# Altium PCB power-v3.4.PcbDoc (part 3 of 3)
Units mil, origin at the board's own origin, x right, y up, seen from the top; angles counter-clockwise.
Board outline 6141.36 x 3430.84 mil, 4 copper layers (Signal 1, Ground, Power, Signal 2), stack 60.469 mil thick; 246 components, 147 nets, 633 pads, 963 vias.
Unrouted connection lines stored in the file: 21.
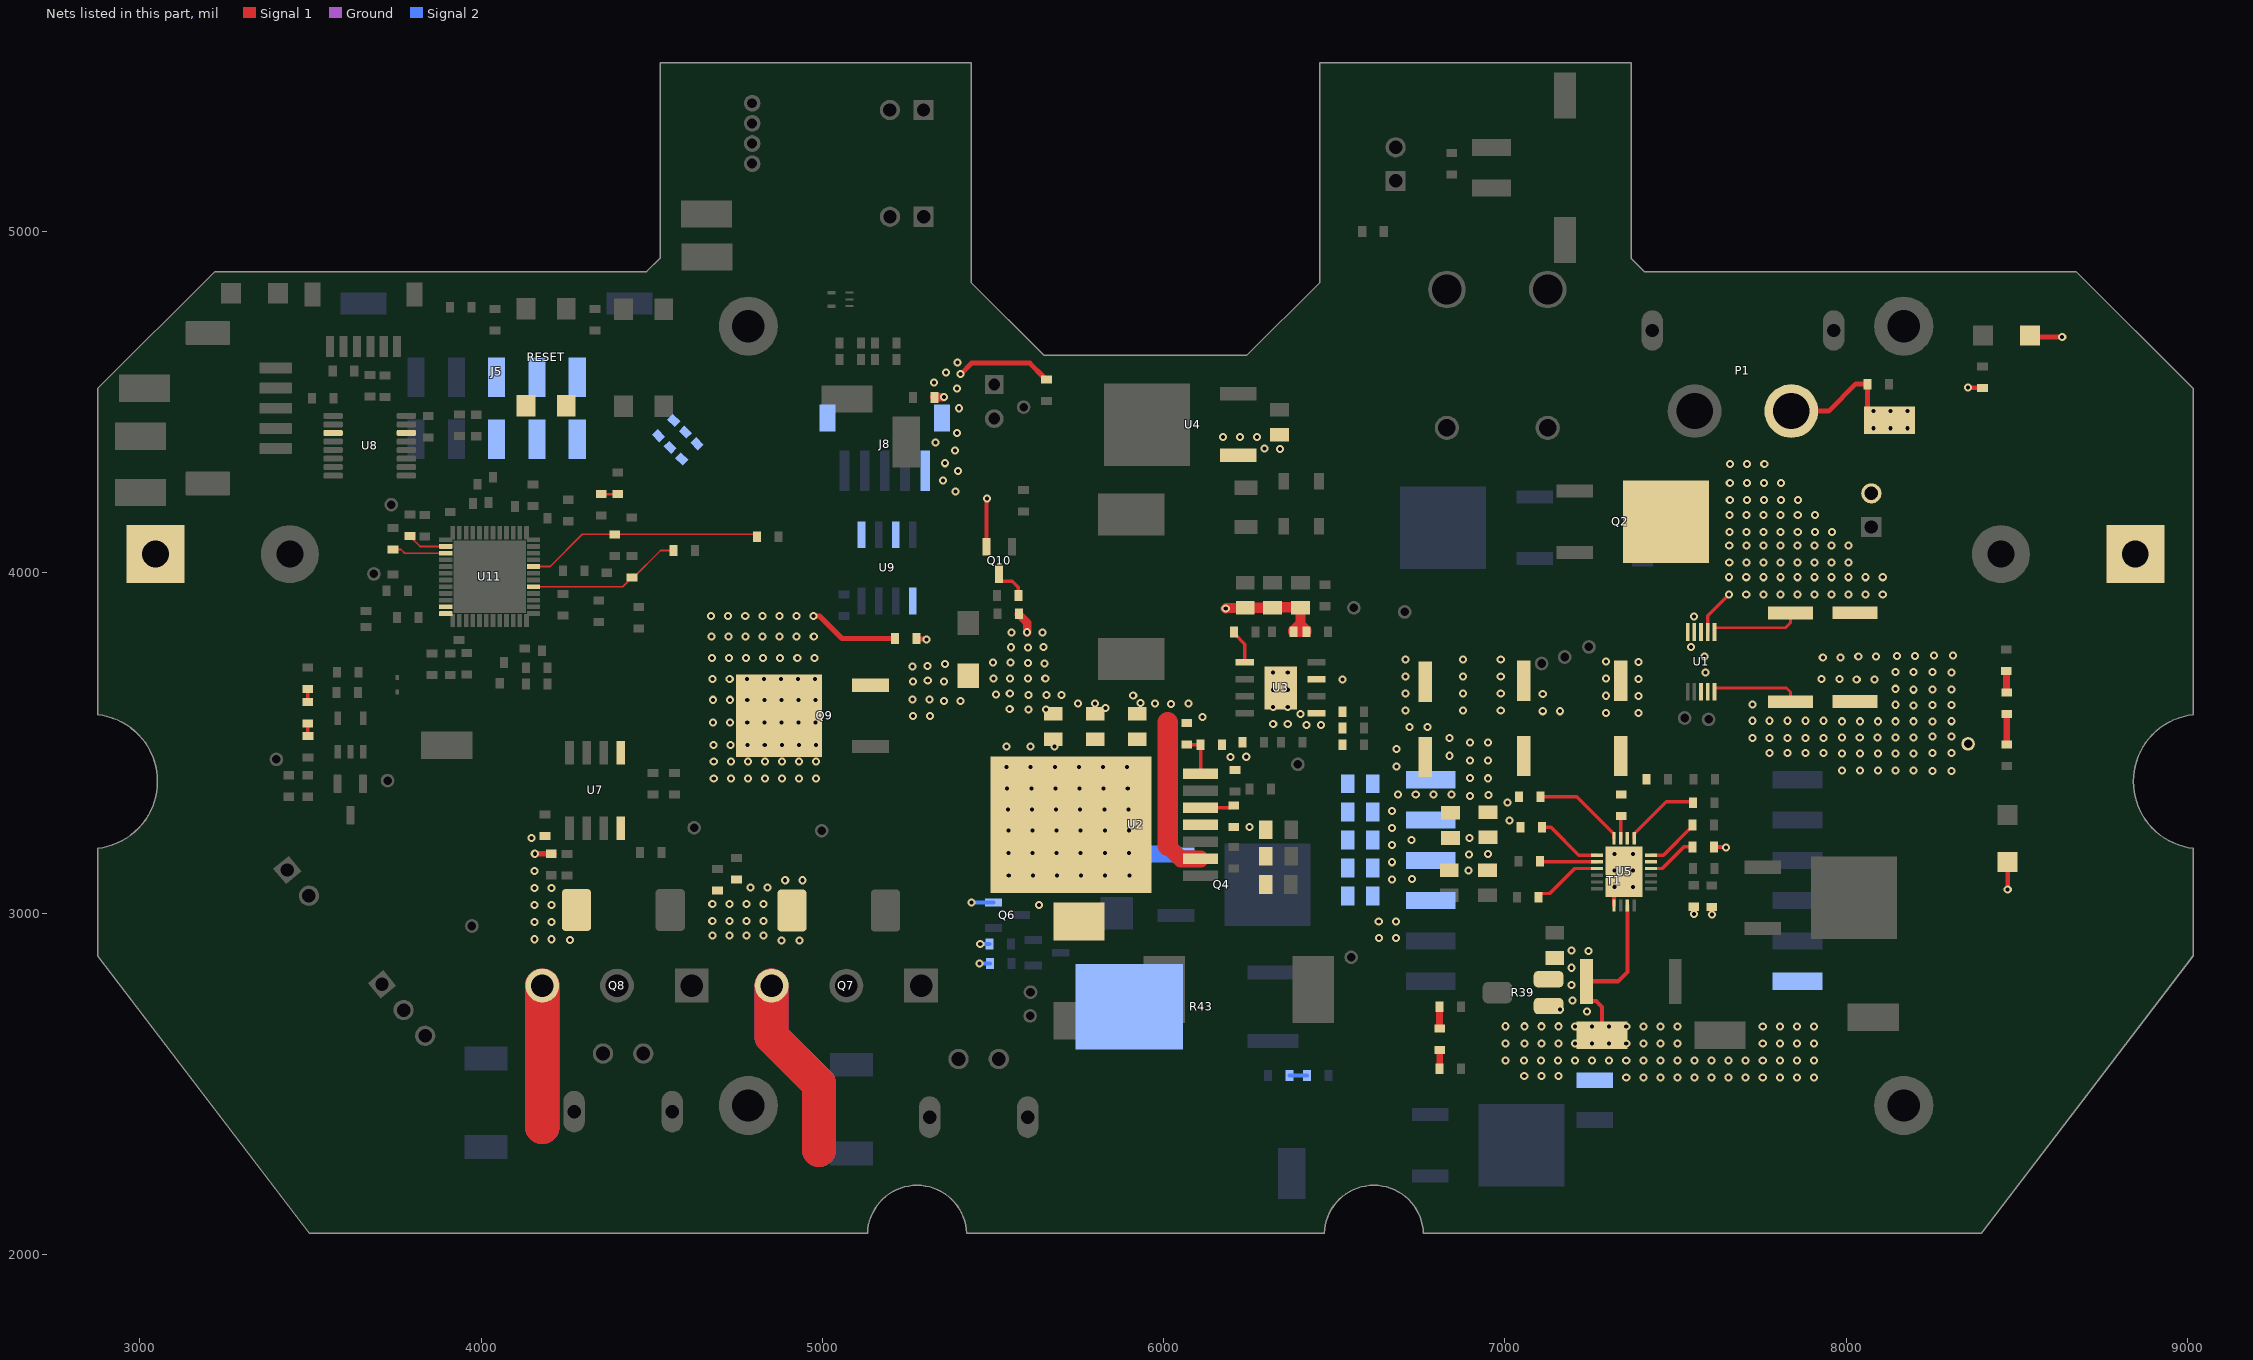
[diagram p5: the nets of this part, all layers, seen from the top]

## Via types
v1: diameter 23.62, hole 11.81, Signal 1 to Signal 2, tented both sides, 936 vias
v2: diameter 19.68, hole 9.84, Signal 1 to Signal 2, tented both sides, 21 vias
v3: diameter 181.1, hole 94.49, Signal 1 to Signal 2, 4 vias
v4: diameter 39.37, hole 19.68, Signal 1 to Signal 2, 2 vias

## Nets (pads, with @x,y where several pads share a name; then routed paths per layer and width w, separated by ;. In a path a pad name is that pad's centre, name@x,y a point inside that pad or via, vN(x,y) a via of type N, cw(c..) or ccw(c..) an arc to the next point about the centre after c; other vN are vias at no path point) (continued)
NetQ10_3: Q10.3 R56.2 | length 103.9
  Signal 1 w10: Q10.3@5518.28,3994.43 5518.28,3980.45 5524.89,3973.84 5556.16,3973.84 5573.86,3956.14 5573.86,3933.72 R56.2@5575.15,3932.43
NetR9_1: R9.1 R12.2 U2.7 | length 129.7
  Signal 1 w10: R9.1@6063.26,3494.4 6108.25,3494.4 R12.2@6108.51,3494.66 6108.51,3410.93 U2.7@6108.08,3410.5
NetR11_2: R11.2 U2.5 | length 100.8
  Signal 1 w10: U2.5@6108.08,3310.5 6195.3,3310.5 6202.15,3317.35 R11.2@6206.09,3317.35
NetR16_1: R16.1 U3.5 | length 101.2
  Signal 1 w10: R16.1@6206.72,3825.02 6206.72,3821.08 6238.27,3789.53 U3.5@6238.27,3736.88
NetR25_1: R25.1 R27.2 | length 60.9
  Signal 1 w19.68: R27.2@8470.06,3649.03 R25.1@8470.06,3709.93
NetR26_1: R26.1 R28.2 | length 55.7
  Signal 1 w20: R26.1@6808.93,2545.24 R26.1@6809.08,2545.38 6809.36,2545.66 6809.36,2600.19 R28.2@6809.65,2600.48 R28.2@6809.79,2600.34
NetR27_1: R27.1 R29.2 | length 89.7
  Signal 1 w19.68: R29.2@8470.98,3495.45 R27.1@8470.98,3585.12
NetR28_1: R28.1 R33.2 | length 64.1
  Signal 1 w20: R33.2@6808.51,2727 6808.51,2664.6 R28.1@6809.65,2663.47 R28.1@6809.68,2663.51
NetR39_1: R39.1
NetR42_1: R42.1 R44.2 | length 51.3
  Signal 2 w12: R44.2@6368.9,2525.6 R42.1@6420.25,2525.6
NetR43_3: R43.3
NetR47_1: R47.1 R48.2 | length 38
  Signal 1 w10: R48.2@3491.91,3620.69 R47.1@3491.91,3658.7
NetR48_1: R48.1 R49.2 | length 38.2
  Signal 1 w8: R49.2@3491.91,3521.33 R49.2@3493.18,3520.06
  Signal 1 w10: R49.2@3491.91,3521.33 R48.1@3491.91,3557.7
NetR63_1: R63.1 R64.2 | length 47.8
  Signal 1 w8: R64.2@4352.49,4229.27 R63.1@4400.31,4229.27
NetR65_2: R65.2 U11.39 | length 159.7
  Signal 1 w5: R65.2@3741.29,4066.92 3765.46,4066.92 3775.99,4056.4 U11.39@3896.61,4056.4
NetR68_1: R68.1 U11.38 | length 118.1
  Signal 1 w5: R68.1@3790.98,4106.19 3821.08,4076.09 3887.75,4076.09 U11.38@3896.61,4076.09
NetRESET_2: RESET.2
NetRESET_4: RESET.4
NetU1_8: U1.8
NetU5_15: U5.15
NetU5_18: U5.18
NetU7_1: U7.1
NetU7_8: U7.8
NetU8_3: U8.3
NetU8_14: U8.14
NetU9_1: U9.1
NetU9_5: U9.5
NetU9_7: U9.7
NetU11_47: U11.47
NetU11_48: U11.48
OVLO1: R24.1 U5.1 | length 195.2
  Signal 1 w10: R24.1@7109.11,3253.1 7109.38,3252.83 7135.45,3252.83 7216.75,3171.53 U5.1@7270.54,3171.53
OVLO2: R22.1 U5.3 | length 208.7
  Signal 1 w10: R22.1@7098.91,3048.29 7098.91,3052.23 7105.73,3059.04 7131.28,3059.04 7204.4,3132.16 U5.3@7270.54,3132.16
PGND: C2.2 C3.2 C4.2 C5.1 C6.1 C7.1 C8.1 C9.2 C10.2 C11.2 C12.2 C13.2 C14.1 C15.2 C16.1 C17.1 C18.NEG C19.NEG C20.NEG C21.1 C22.NEG C23.NEG C24.1 C25.1 C26.1 C27.1 C28.1 C29.1 C30.1 C32.2 C33.2 C34.2 C35.1 C41.1 C42.1 C48.1 C49.1 C50.1 D2.A D5.2 D8.2 D9.A D13.A D15.A FB_CSN.1 J1.2 J5.1 J5.2 J5.3 J8.1 J8.6 J8.7 P1.1 PGND.1 Q4.3 Q6.2 Q7.3 Q8.3 Q10.2 R3.1 R4.2 R11.1 R12.1 R13.2 R17.1 R18.1 R39.3 R40.1 R41.1 R46.1 R52.2 R54.2 R71.2 T1.12 U1.3 U1.4 U1.5 U1.9 U2.4 U2.8 U3.1 U3.3 U3.EPAD U4.1 U5.7 U5.9 U5.21 | length 4332
  Signal 1 w8: D5.2@8539.26,4694.62 D5.2@8544.06,4689.81
  Signal 1 w12: Q10.2@5480.87,4075.14 5481.5,4075.76 5481.5,4216.34 v1(5482.13,4216.97) ; FB_CSN.1@7284.93,2641.05 FB_CSN.1@7284.93,2643.97 7284.93,2726.79 7267.87,2743.85 7252.34,2743.85 7239.64,2756.55 R40.1@7239.64,2801.73 7331.72,2801.73 7359.24,2829.24 7359.24,2987.89 U5.9@7359.25,3023.76 ; U5.7@7319.88,3023.77 U5.21@7319.88,3080.22 ; v1(7321.9,3078.2) U5.21@7319.88,3080.22 ; U5.21@7349.41,3122.32 7319.88,3092.79 U5.21@7319.88,3080.22 ; R41.1@7613.17,3195.51 7613.77,3194.91 7647.39,3194.91 v1(7647.99,3194.31) ; v1(8473.79,3070.89) D8.2@8473.79,3150.24
  Signal 1 w14: P1.1@7839.72,4472.61 7948.79,4472.61 8028.4,4552.22 8061.95,4552.22 R3.1@8062.63,4551.54 8062.63,4480.81 8097.59,4445.85 PGND.1@8127.41,4445.85 ; D5.2@8544.06,4689.81 v1(8633.51,4689.81)
  Signal 1 w15: v1(4157.48,3175.46) 4157.61,3175.33 4213.08,3175.33 C42.1@4213.21,3175.2 ; 4179.54,2375.2 4179.77,2374.97 ; R71.2@5276.24,3806.43 5277.77,3804.9 5303.56,3804.9 v1(5305.09,3803.37) ; v1(5405.44,4580.92) 5437.53,4613.01 5608.02,4613.01 5648.56,4572.47 5648.56,4569.17 5652.87,4564.86 C16.1@5656.17,4564.86
  Signal 1 w25: R4.2@5328.22,4512.77 5328.91,4513.5 v1(5356.21,4513.5)
  Signal 1 w30: v1(6182.27,3894.2) 6183.61,3895.55 6227.1,3895.55 6227.61,3896.06 C13.2@6239.6,3896.06 6317.39,3896.06 6319.06,3897.73 6399.34,3897.73 C12.2@6401.01,3896.06 6401.01,3850.35 ; 6401.01,3850.35 6380.33,3829.67 C14.1@6380.33,3825.74 6380.66,3826.06 6418.24,3826.06 R17.1@6418.56,3826.38 6418.56,3830.32 6401.01,3847.87 6401.01,3850.35
  Signal 1 w100: 4179.54,2375.2 Q8.3@4179.54,2789.21 ; Q7.3@4851.63,2789.02 4851.63,2639 4990.38,2500.25 4990.38,2308.08
  Ground w15: 4179.54,2375.2 4180,2374.74
  Ground w100: 4179.54,2375.2 Q8.3@4179.54,2789.21 ; Q7.3@4851.63,2789.02 4851.63,2640.18 4990.38,2501.43 4990.38,2308.08
  Signal 2 w12: v1(5437.39,3032.46) 5437.7,3032.77 Q6.2@5501.7,3032.77 ; v1(5460.75,2854.36) 5461.11,2853.99 5491.26,2853.99 R46.1@5491.62,2853.63
  Signal 2 w50: D9.A@5863.1,3174.54 Q4.3@6036.75,3174.54
  other v1: 7355.88,2519.8 7405.88,2519.8 7455.88,2519.8 7505.88,2519.8 7555.88,2519.8 7605.88,2519.8 7655.88,2519.8 7705.88,2519.8 7755.88,2519.8 7805.88,2519.8 7855.88,2519.8 7905.88,2519.8 7057,2524.43 7107,2524.43 7157,2524.43 7002.11,2569.62 7055.88,2569.8 7105.88,2569.8 7155.88,2569.8 7205.88,2569.8 7255.88,2569.8 7305.88,2569.8 7355.88,2569.8 7405.88,2569.8 7455.88,2569.8 7505.88,2569.8 7555.88,2569.8 7605.88,2569.8 7655.88,2569.8 7705.88,2569.8 7755.88,2569.8 7805.88,2569.8 7855.88,2569.8 7905.88,2569.8 7001.83,2619.97 7057.5,2619.92 7107.5,2619.92 7157.5,2619.92 7205.88,2619.8 7255.88,2619.8 7305.88,2619.8 7355.88,2619.8 7405.88,2619.8 7455.88,2619.8 7505.88,2619.8 7755.88,2619.8 7805.88,2619.8 7855.88,2619.8 7905.88,2619.8 7001.83,2669.97 7057.5,2669.92 7107.5,2669.92 7157.5,2669.92 7205.88,2669.8 7255.88,2669.8 7305.88,2669.8 7355.88,2669.8 7405.88,2669.8 7455.88,2669.8 7505.88,2669.8 7755.88,2669.8 7805.88,2669.8 7855.88,2669.8 7905.88,2669.8 7240.35,2713.71 7162.02,2719.49 7198.71,2745.68 7195.63,2791.38 7195.63,2841.38 7195.63,2891.38 7244.82,2890.59 4880.52,2921.43 4932.84,2921.43 4260.49,2922.72 4157.06,2924.89 4207.06,2924.89 6630.91,2928.93 6680.91,2928.93 4677.75,2935.58 4727.75,2935.58 4777.75,2935.58 4827.75,2935.58 4157.06,2974.89 4207.06,2974.89 6630.68,2977.22 6680.68,2977.22 4677.62,2978.57 4727.62,2978.57 4777.62,2978.57 4827.62,2978.57 7606.59,2997.38 7554.96,2998.31 4157.06,3024.89 4207.06,3024.89 5635.57,3025.17 4677.62,3028.57 4727.62,3028.57 4777.62,3028.57 4827.62,3028.57 4157.06,3074.89 4207.06,3074.89 4789.38,3076.54 4839.38,3076.54 7375.92,3078.2 4891.39,3097.85 4941.39,3097.85 5546.4,3111.9 5617.07,3111.9 5687.75,3111.9 5758.42,3111.9 5829.09,3111.9 5899.77,3111.9 4157.06,3124.89 6893.55,3126.12 7321.9,3126.55 7375.92,3126.55 6895.08,3173.62 6950.19,3174.23 7321.9,3174.91 7375.92,3174.91 5545.11,3177.05 5615.78,3177.05 5686.46,3177.05 5757.13,3177.05 5827.8,3177.05 5898.48,3177.05 6897.21,3221.13 4148.21,3221.86 5545.11,3244.14 5615.78,3244.14 5686.46,3244.14 5757.13,3244.14 5827.8,3244.14 5898.48,3244.14 6251.96,3253.48 5543.78,3305.22 5614.45,3305.22 5685.13,3305.22 5755.8,3305.22 5826.47,3305.22 5897.15,3305.22 5541.72,3367.06 5612.39,3367.06 5683.07,3367.06 5753.74,3367.06 5824.41,3367.06 5895.09,3367.06 5540.05,3429.25 5610.72,3429.25 5681.4,3429.25 5752.07,3429.25 5822.74,3429.25 5893.42,3429.25 6196.44,3459.38 6242.38,3459.72 5539.26,3489.95 5609.93,3489.95 5680.61,3489.95 6419.05,3552.89 6461.63,3552.89 6321.42,3556.08 6364.01,3556.08 6401.62,3584.54 7392.19,3587.81 7296.87,3588.51 7111.21,3593.1 7161.21,3593.1 6709.54,3595.11 6877.5,3594.99 6988.15,3594.99 6321.42,3606.08 6364.01,3606.08 7392.19,3637.81 7296.87,3638.51 7111.21,3643.1 6709.54,3645.11 6877.5,3644.99 6988.15,3644.99 6321.42,3656.08 6364.01,3656.08 6525.01,3686.62 7392.19,3687.81 7296.87,3688.51 6709.54,3695.11 6877.5,3694.99 6988.15,3694.99 6321.42,3706.08 6364.01,3706.08 7588.03,3706.4 7392.19,3737.81 7296.87,3738.51 6709.54,3745.11 6877.5,3744.99 6988.15,3744.99 7584.81,3753.84 7546.23,3780.86 7554.05,3871.06 5390.52,4236.68 5354.37,4268.91 5398.29,4296.55 5358.98,4319.86 5389.41,4357.26 6341.62,4361.24 6295.9,4362.42 5331.96,4380.37 6173.78,4396.36 6223.78,4396.36 6273.78,4396.36 5394.77,4408.48 8080.03,4422.37 8130.03,4422.37 8180.03,4422.37 8080.03,4472.37 8130.03,4472.37 8180.03,4472.37 5400.35,4481 5394.5,4538.83 5327.38,4556.99 5363.01,4585.23 5396.69,4615.3
PMS_SCL: R5.1 R67.2 U11.17 | length 445.5
  Signal 1 w5: U11.17@4162.55,3957.98 4415.65,3957.98 R5.1@4442.29,3984.62 4446.23,3984.62 4525.7,4064.09 R67.2@4564.08,4064.09
PMS_SDA: R6.1 R66.2 U11.20 | length 689.4
  Signal 1 w5: U11.20@4162.55,4017.03 4202.57,4017.03 4296.84,4111.31 R6.1@4391.77,4111.31 4801.27,4111.31 R66.2@4809.46,4103.12
RBG: R41.2 U5.14 | length 148.1
  Signal 1 w10: U5.14@7428.28,3132.16 7461.82,3132.16 7525.17,3195.51 R41.2@7550.18,3195.51
RDCM: R32.2 U5.17 | length 224.9
  Signal 1 w10: U5.17@7378.94,3220.87 7378.94,3233.62 7472.71,3327.39 7548.48,3327.39 R32.2@7551.17,3324.7
RVOUT: R37.2 U5.16 | length 160
  Signal 1 w10: U5.16@7428.28,3171.53 7465.15,3171.53 7549.45,3255.83 R37.2@7549.45,3259.76
RVTRANS: R30.2 U5.19 | length 65.2
  Signal 1 w10: U5.19@7339.57,3220.87 7339.57,3284.15 R30.2@7340.91,3285.49
UVLO1: R23.1 U5.20 | length 273
  Signal 1 w10: R23.1@7105.03,3342.7 7105.33,3342.99 7210.51,3342.99 7319.88,3233.62 U5.20@7319.88,3220.87
UVLO2: R21.1 U5.2 | length 168.5
  Signal 1 w10: R21.1@7102.83,3153.74 7104.72,3151.85 U5.2@7270.54,3151.85
VCC: C2.1 C3.1 C4.1 C18.POS C19.POS C20.POS C24.2 C25.2 C26.2 C27.2 C28.2 C29.2 C30.2 C31.2 D16.1 Q9.3 R7.1 R8.1 R9.2 R20.2 R23.2 R24.2 R30.1 R45.2 R55.1 T1.3 T1.4 T1.5 T1.6 U1.10 U2.2 VCC.1 | length 873.4
  Signal 1 w8: U1.10@7614.64,3650.28 7614.64,3659.73 7616.14,3661.23 7825.27,3661.23 7837.4,3649.1 R7.1@7837.4,3620.81 ; v1(8356.98,4541.35) v1@8357.19,4541.14 ; R20.2@8399.36,4541.14 R20.2@8399.58,4540.92
  Signal 1 w14: v1@8357.19,4541.14 R20.2@8399.36,4541.14
  Signal 1 w25: R55.1@5576.34,3878.94 5576.34,3876.38 5600.06,3852.66 v1(5600.06,3824.59)
  Signal 1 w50: 6012.8,3198.49 6050.78,3160.5 U2.2@6108.08,3160.5
  Signal 1 w60: 6012.8,3198.49 6012.8,3560.59
  Signal 2 w12: v1(5462.89,2910.56) 5463.13,2910.8 R45.2@5489.99,2910.8
  other v1: 6668.91,3100.61 6727.81,3101.67 6668.91,3150.61 6668.91,3200.61 6726.66,3215.49 6668.91,3250.61 7013.88,3273.31 6668.91,3300.61 7007.4,3325.13 6898.24,3344.54 6951.77,3347.79 6686.67,3349 6739.05,3349 6791.44,3349 6843.82,3349 6898.24,3396.92 6951.39,3396.63 8253.4,3418.04 8309.62,3418.5 7988.3,3419.25 8040.68,3419.25 8093.07,3419.25 8145.45,3419.25 8197.84,3419.25 6682.46,3430.67 6898.24,3449.31 6951.39,3449.02 6837.81,3462.66 7776.16,3470.16 7828.54,3470.16 7880.93,3470.16 7933.31,3470.16 7988.3,3469.77 8040.68,3469.77 8093.07,3469.77 8145.45,3469.77 8197.84,3469.77 8253.4,3470.6 8309.62,3471.06 6682.46,3483.06 6951.39,3501.4 6898.24,3501.69 6837.81,3515.05 7726.34,3514.68 7776.16,3514.68 7828.54,3514.68 7880.93,3514.68 7933.31,3514.68 7987.8,3515.75 8040.18,3515.75 8092.57,3515.75 8144.95,3515.75 8197.34,3515.75 8252.91,3518.79 8309.12,3519.25 6720.67,3546.42 6773.05,3546.42 8253.4,3563.37 7988.3,3563.7 8040.68,3563.7 8093.07,3563.7 8145.45,3563.7 8197.84,3563.7 8309.62,3563.83 7726.34,3565.2 7776.16,3565.2 7828.54,3565.2 7880.93,3565.2 7933.31,3565.2 6113.72,3576.37 5265.98,3578.77 5315.14,3579.13 5603.93,3598.16 5655.39,3598.52 5549.27,3599.95 5830.49,3601.96 8197.24,3609.95 8252.79,3610.82 8309.65,3611.25 7726.34,3612.37 8145.15,3612.12 6022.1,3614.41 5749.77,3615.32 5974.91,3615.39 6072.58,3615.39 5798.61,3616.4 5932.9,3617.82 5357.2,3623.17 5404.79,3623.17 5314.05,3627.27 5264.15,3627.98 5657.33,3640.45 5700.65,3640.29 5911.17,3639.55 5603.86,3641.23 5508.61,3642.71 5549.39,3644.52 8197.84,3656.13 8253.4,3656.91 8309.62,3657.37 8144.89,3658.93 5356.66,3680.39 5265.99,3680.58 5309.07,3683.07 8031.3,3686.02 8083.69,3686.02 7928.67,3687.43 7981.06,3687.43 5550.38,3688.46 5502.12,3689.48 5602.29,3688.85 5653.42,3688.85 8309.25,3706.11 8144.78,3708.04 8197.98,3708.04 8252.76,3707.51 5264.92,3723.71 5308,3726.2 5359.53,3731.19 5651.47,3732.56 5602.69,3734.12 5499.64,3736.19 5551.56,3735.68 7931.8,3751.19 7984.19,3751.19 8035.83,3753.31 8088.22,3753.31 8149.27,3754.73 8201.65,3754.73 8257.22,3755.98 8313.44,3756.44 5602.69,3780.18 5553.12,3780.57 5648.35,3781.74 5554.29,3824.28 5644.84,3823.5
VCC_MOTOR: C48.2 C49.2 C50.2 J5.6 J5.7 J5.8 Q9.2 R71.1 | length 270.1
  Signal 1 w15: v1(4974.25,3872.51) 4974.9,3871.86 4992.12,3871.86 5057.55,3806.43 R71.1@5217.01,3806.43
  other v1: 4681.91,3395.84 4731.91,3395.84 4781.91,3395.84 4831.91,3395.84 4881.91,3395.84 4931.91,3395.84 4981.91,3395.84 4681.91,3445.84 4731.91,3445.84 4781.91,3445.84 4831.91,3445.84 4881.91,3445.84 4931.91,3445.84 4981.91,3445.84 4681.39,3494.46 4731.39,3494.46 4781.39,3494.46 4831.39,3494.46 4881.39,3494.46 4931.39,3494.46 4981.39,3494.46 4680.1,3559.61 4730.1,3559.61 4780.1,3559.61 4830.1,3559.61 4880.1,3559.61 4930.1,3559.61 4980.1,3559.61 4680.1,3626.7 4730.1,3626.7 4780.1,3626.7 4830.1,3626.7 4880.1,3626.7 4930.1,3626.7 4980.1,3626.7 4678.77,3687.78 4728.77,3687.78 4778.77,3687.78 4828.77,3687.78 4878.77,3687.78 4928.77,3687.78 4978.77,3687.78 4676.71,3749.61 4726.71,3749.61 4776.71,3749.61 4826.71,3749.61 4876.71,3749.61 4926.71,3749.61 4976.71,3749.61 4675.04,3811.8 4725.04,3811.8 4775.04,3811.8 4825.04,3811.8 4875.04,3811.8 4925.04,3811.8 4975.04,3811.8 4674.25,3872.51 4724.25,3872.51 4774.25,3872.51 4824.25,3872.51 4874.25,3872.51 4924.25,3872.51
VCC_RPP: Q2.2 R7.2 R8.2 U1.1 U1.2 | length 406.1
  Signal 1 w8: U1.1@7614.64,3824.78 7614.64,3836.18 7616.14,3837.68 7822.75,3837.68 7837.4,3852.33 R7.2@7837.4,3880.66
  Signal 1 w10: U1.2@7594.94,3824.78 7594.94,3873.2 v1(7657.52,3935.78)
  other v1: 7707.52,3935.78 7757.52,3935.78 7807.52,3935.78 7857.52,3935.78 7907.52,3935.78 7957.52,3935.78 8007.52,3935.78 8057.52,3935.78 8107.52,3935.78 7657.52,3985.78 7707.52,3985.78 7757.52,3985.78 7807.52,3985.78 7857.52,3985.78 7907.52,3985.78 7957.52,3985.78 8007.52,3985.78 8057.52,3985.78 8107.52,3985.78 7657.72,4028.52 7707.72,4028.52 7757.72,4028.52 7807.72,4028.52 7857.72,4028.52 7907.72,4028.52 7957.72,4028.52 8007.72,4028.52 7657.72,4078.52 7707.72,4078.52 7757.72,4078.52 7807.72,4078.52 7857.72,4078.52 7907.72,4078.52 7957.72,4078.52 8007.72,4078.52 7658.52,4118.69 7708.52,4118.69 7758.52,4118.69 7808.52,4118.69 7858.52,4118.69 7908.52,4118.69 7958.52,4118.69 7658.52,4168.69 7708.52,4168.69 7758.52,4168.69 7808.52,4168.69 7858.52,4168.69 7908.52,4168.69 7659.29,4212.24 7709.29,4212.24 7759.29,4212.24 7809.29,4212.24 7859.29,4212.24 7659.29,4262.24 7709.29,4262.24 7759.29,4262.24 7809.29,4262.24 7660.4,4317.74 7710.4,4317.74 7760.4,4317.74
pads on no net: D7.1 J2.NC J4.3 J4.4 P1.Un1 P1.Un2 P2.NC P3.NC T1.2 T1.11
copper on no net:
  other v3: 4783.29,2437.79 8169.12,2437.79 4783.29,4721.25

## Polygon pours and split planes (outlines as drawn)
GND on Ground "GND_L02_P195" (solid, pour order 195): 5497.19,4778.85 5343.15,4932.89 5342.81,4932.89 5223.26,4813.34 5372.56,4664.04 5372.56,4663.58 5291.34,4582.36 5291.34,4539.12 5291.58,4538.87 5291.58,4260.09 5282.76,4251.28 5255.95,4251.28 5201.11,4196.44 5201.11,3545.82 4991.72,3336.43 4123.12,3336.43 4074.14,3287.45 4074.14,2026 3931.77,1883.64 3270.71,1883.64 2458.93,2695.41 2458.93,5874.86 5491.81,5874.86 5514.36,5897.41 5506.48,4789.7
PGND on Ground "PGND_L02_P194" (solid, pour order 194): 5391.08,4657.03 5596.61,4451.5 5596.61,4235.8 5573.16,4212.35 5234.62,4212.35 5214.08,4191.81 5214.08,3535.94 4998.91,3320.77 4132.84,3320.77 4129.42,3324.19 4095.25,3290.02 4095.25,1970.02 9387.1,1970.02 9395.84,1961.27 9579.53,2144.96 9579.53,5634.95 5546.85,5612.77 5546.85,4812.81
PGND on Ground "PGND_L01_P-001" (solid, remove dead copper, pour order 192): 8629.57,3113.29 8098.02,2416.63 3776.71,2416.63 3269.57,3037.39 3269.57,4174.99 2879.57,4174.99 2879.57,2062.82 9019.57,2062.82 9019.57,4174.99 8629.57,4174.99
PGND on Ground "PGND_L02_P207" (solid, pour order 207): 5234.62,4212.35 5613.69,4212.35 5613.69,4440.63 5394.07,4660.25 5305.37,4571.55 5306.59,4570.33 5306.59,4256.72 5282.77,4232.89 5255.16,4232.89
GND on Ground "GND_L02_P201" (solid, pour order 201): 5493.66,4779.45 5392.44,4683.91 5372.56,4664.04 5223.26,4813.34 5347.43,4937.51 5347.43,4925.68
VCC on Signal 1 "VCC_L01_P227" (solid, pour order 227): 6778.14,3272.91 6768.88,3263.64 6769.76,3262.76 6769.76,3104.89 6751.4,3086.52 6641.35,3086.52 6630.52,3097.35 6630.52,3500.64 6694.3,3564.41 7453.42,3564.41 7485.25,3532.59 7675.76,3532.59 7675.76,3630.66 7717.84,3660.37 7850.34,3660.37 7871.26,3681.29 7871.26,3750.74 7926.58,3806.07 8297.87,3806.07 8388.68,3697.59 8388.68,3485.39 8290.02,3386.72 7995.82,3386.72 7995.82,3387.59 7929.05,3454.35 7929.05,3453.49 7457.72,3454.35 7429.38,3426.01 7429.38,3361.67 7398.75,3331.04 7266.24,3331.04 7198.18,3399.1 7077.99,3399.1 7056.04,3377.15 7057.34,3375.85 7057.34,3230.68 7044.2,3217.54 7033.99,3217.54 6994.03,3257.5 6994.03,3267.71 6988.83,3272.91
NetFB_D_1 on Signal 1 "NETFB_D_1_L01_P256" (solid, pour order 256): 8317.46,2779.19 8317.46,2780.65 8390.08,2876.51 8390.08,3456.86 7597.92,3456.86 7592.62,3462.15 7580.94,3450.47 7580.94,3237.64 7596.38,3222.21 7830.72,3222.21 7844.02,3208.91 7835.71,3200.6 7835.71,2780.93
12V on Signal 1 "12V_L01_P269" (solid, pour order 269): 4285.34,3285.12 4286,3285.78 4333.68,3285.78 4333.68,3218.24 4334.01,3217.9 4331.69,3215.59 4297.26,3215.59 4297.26,3216.22 4286.08,3227.4
PGND on Signal 1 "PGND_L01_P270" (solid, pour order 270): 7584.11,3686.71 7568.34,3702.48 7568.34,3730.91 7529.69,3769.56 7529.69,3892.87 7581.46,3892.87 7581.46,3798.71 7605.71,3774.45 7605.71,3613.2 7605.97,3612.95 7601.95,3608.94 7587.89,3608.94 7584.11,3612.72